# KiCad board rabbit_mask_capacitors.kicad_pcb (continued)
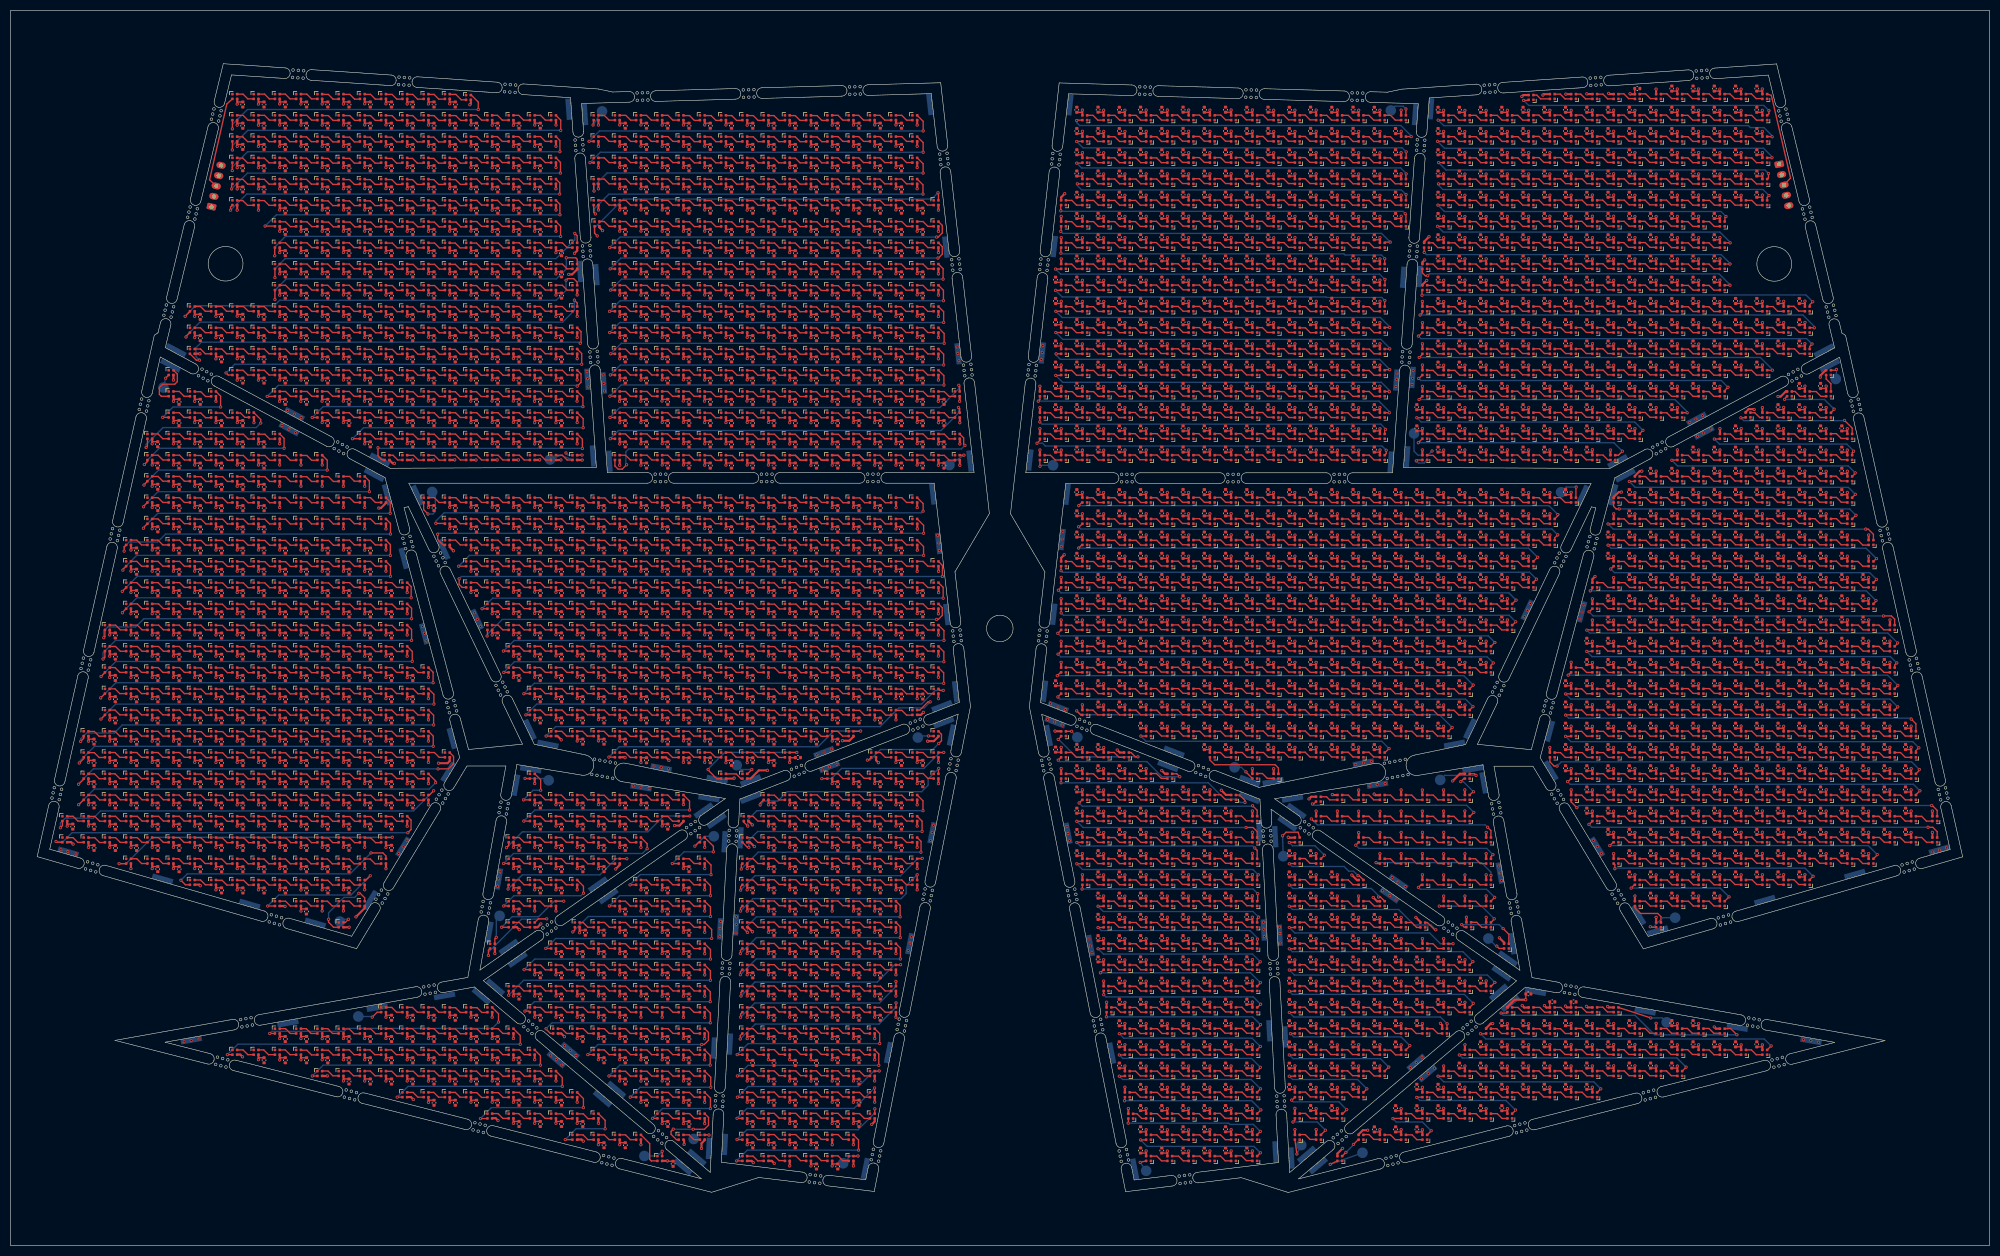
[diagram p0: board, top side]
## Placement (name value [footprint] x y rotation side) (continued)
C1485#1260  0.1uF  [C_0402_1005Metric]  63.72 122.84 270 top
C1485#1261  0.1uF  [C_0402_1005Metric]  304.7 205.86 90 top
C1485#1262  0.1uF  [C_0402_1005Metric]  268.7 121.86 90 top
C1485#1263  0.1uF  [C_0402_1005Metric]  256.7 93.84 90 top
C1485#1264  0.1uF  [C_0402_1005Metric]  123.7 158.86 270 top
C1485#1265  0.1uF  [C_0402_1005Metric]  252.7 189.88 90 top
C1485#1266  0.1uF  [C_0402_1005Metric]  155.7 206.86 270 top
C1485#1267  0.1uF  [C_0402_1005Metric]  95.7 74.86 270 top
C1485#1268  0.1uF  [C_0402_1005Metric]  340.7 121.86 90 top
C1485#1269  0.1uF  [C_0402_1005Metric]  216.7 185.86 90 top
C1485#1270  0.1uF  [C_0402_1005Metric]  220.7 129.86 90 top
C1485#1271  0.1uF  [C_0402_1005Metric]  348.7 73.86 90 top
C1485#1272  0.1uF  [C_0402_1005Metric]  155.7 106.86 270 top
C1485#1273  0.1uF  [C_0402_1005Metric]  159.7 194.86 270 top
C1485#1274  0.1uF  [C_0402_1005Metric]  306.2 217.86 0 top
C1485#1275  0.1uF  [C_0402_1005Metric]  268.7 185.86 90 top
C1485#1276  0.1uF  [C_0402_1005Metric]  244.7 45.84 90 top
C1485#1277  0.1uF  [C_0402_1005Metric]  248.7 61.84 90 top
C1485#1278  0.1uF  [C_0402_1005Metric]  171.7 186.84 270 top
C1485#1279  0.1uF  [C_0402_1005Metric]  232.7 53.86 90 top
C1485#1280  0.1uF  [C_0402_1005Metric]  119.7 58.86 270 top
C1485#1281  0.1uF  [C_0402_1005Metric]  280.71 25.84 90 top
C1485#1282  0.1uF  [C_0402_1005Metric]  320.7 149.86 90 top
C1485#1283  0.1uF  [C_0402_1005Metric]  212.7 113.86 90 top
C1485#1284  0.1uF  [C_0402_1005Metric]  232.7 17.86 90 top
C1485#1285  0.1uF  [C_0402_1005Metric]  256.7 45.84 90 top
C1485#1286  0.1uF  [C_0402_1005Metric]  300.7 213.86 90 top
C1485#1287  0.1uF  [C_0402_1005Metric]  59.72 114.86 270 top
C1485#1288  0.1uF  [C_0402_1005Metric]  284.7 193.86 90 top
C1485#1289  0.1uF  [C_0402_1005Metric]  155.7 42.86 270 top
C1485#1290  0.1uF  [C_0402_1005Metric]  167.7 74.86 270 top
C1485#1291  0.1uF  [C_0402_1005Metric]  107.7 50.86 270 top
C1485#1292  0.1uF  [C_0402_1005Metric]  63.7 186.86 270 top
C1485#1293  0.1uF  [C_0402_1005Metric]  119.7 154.86 270 top
C1485#1294  0.1uF  [C_0402_1005Metric]  43.7 150.86 270 top
C1485#1295  0.1uF  [C_0402_1005Metric]  252.7 165.86 90 top
C1485#1296  0.1uF  [C_0402_1005Metric]  336.7 125.86 90 top
C1485#1297  0.1uF  [C_0402_1005Metric]  212.7 153.86 90 top
C1485#1298  0.1uF  [C_0402_1005Metric]  296.7 109.86 90 top
C1485#1299  0.1uF  [C_0402_1005Metric]  200.7 181.88 90 top
C1485#1300  0.1uF  [C_0402_1005Metric]  328.7 149.86 90 top
C1485#1301  0.1uF  [C_0402_1005Metric]  163.7 82.86 270 top
C1485#1302  0.1uF  [C_0402_1005Metric]  39.72 134.84 270 top
C1485#1303  0.1uF  [C_0402_1005Metric]  268.7 169.86 90 top
C1485#1304  0.1uF  [C_0402_1005Metric]  312.7 101.86 90 top
C1485#1305  0.1uF  [C_0402_1005Metric]  55.72 114.86 270 top
C1485#1306  0.1uF  [C_0402_1005Metric]  264.7 153.86 90 top
C1485#1307  0.1uF  [C_0402_1005Metric]  336.7 77.86 90 top
C1485#1308  0.1uF  [C_0402_1005Metric]  111.7 138.86 270 top
C1485#1309  0.1uF  [C_0402_1005Metric]  59.7 166.86 270 top
C1485#1310  0.1uF  [C_0402_1005Metric]  47.7 198.86 270 top
C1485#1311  0.1uF  [C_0402_1005Metric]  167.7 186.84 270 top
C1485#1312  0.1uF  [C_0402_1005Metric]  75.7 42.86 270 top
C1485#1313  0.1uF  [C_0402_1005Metric]  79.7 174.84 270 top
C1485#1314  0.1uF  [C_0402_1005Metric]  244.7 25.86 90 top
C1485#1315  0.1uF  [C_0402_1005Metric]  99.7 42.86 270 top
C1485#1316  0.1uF  [C_0402_1005Metric]  135.7 190.86 270 top
C1485#1317  0.1uF  [C_0402_1005Metric]  103.7 134.86 270 top
C1485#1318  0.1uF  [C_0402_1005Metric]  224.7 81.86 90 top
C1485#1319  0.1uF  [C_0402_1005Metric]  216.7 201.86 90 top
C1485#1320  0.1uF  [C_0402_1005Metric]  143.7 146.86 270 top
C1485#1321  0.1uF  [C_0402_1005Metric]  328.7 77.86 90 top
C1485#1322  0.1uF  [C_0402_1005Metric]  240.7 149.88 90 top
C1485#1323  0.1uF  [C_0402_1005Metric]  63.7 30.86 270 top
C1485#1324  0.1uF  [C_0402_1005Metric]  316.7 181.86 90 top
C1485#1325  0.1uF  [C_0402_1005Metric]  51.7 170.86 270 top
C1485#1326  0.1uF  [C_0402_1005Metric]  95.7 118.86 270 top
C1485#1327  0.1uF  [C_0402_1005Metric]  216.7 37.86 90 top
C1485#1328  0.1uF  [C_0402_1005Metric]  123.7 78.86 270 top
C1485#1329  0.1uF  [C_0402_1005Metric]  236.7 165.86 90 top
C1485#1330  0.1uF  [C_0402_1005Metric]  244.7 125.86 90 top
C1485#1331  0.1uF  [C_0402_1005Metric]  131.7 126.86 270 top
C1485#1332  0.1uF  [C_0402_1005Metric]  248.7 125.86 90 top
C1485#1333  0.1uF  [C_0402_1005Metric]  300.7 89.86 90 top
C1485#1334  0.1uF  [C_0402_1005Metric]  111.69 58.88 270 top
C1485#1335  0.1uF  [C_0402_1005Metric]  159.7 70.86 270 top
C1485#1336  0.1uF  [C_0402_1005Metric]  276.7 33.86 90 top
C1485#1337  0.1uF  [C_0402_1005Metric]  107.7 102.86 270 top
C1485#1338  0.1uF  [C_0402_1005Metric]  312.7 185.86 90 top
C1485#1339  0.1uF  [C_0402_1005Metric]  75.7 30.86 270 top
C1485#1340  0.1uF  [C_0402_1005Metric]  304.7 161.86 90 top
C1485#1341  0.1uF  [C_0402_1005Metric]  336.7 137.86 90 top
C1485#1342  0.1uF  [C_0402_1005Metric]  304.7 165.86 90 top
C1485#1343  0.1uF  [C_0402_1005Metric]  348.7 105.86 90 top
C1485#1344  0.1uF  [C_0402_1005Metric]  67.7 106.86 270 top
C1485#1345  0.1uF  [C_0402_1005Metric]  276.7 121.86 90 top
C1485#1346  0.1uF  [C_0402_1005Metric]  139.7 154.86 270 top
C1485#1347  0.1uF  [C_0402_1005Metric]  15.7 86.86 270 top
C1485#1348  0.1uF  [C_0402_1005Metric]  79.7 210.86 270 top
C1485#1349  0.1uF  [C_0402_1005Metric]  220.7 25.86 90 top
C1485#1350  0.1uF  [C_0402_1005Metric]  163.7 202.86 270 top
C1485#1351  0.1uF  [C_0402_1005Metric]  212.7 157.86 90 top
C1485#1352  0.1uF  [C_0402_1005Metric]  159.7 54.86 270 top
C1485#1353  0.1uF  [C_0402_1005Metric]  288.7 197.86 90 top
C1485#1354  0.1uF  [C_0402_1005Metric]  155.7 86.86 270 top
C1485#1355  0.1uF  [C_0402_1005Metric]  324.7 97.86 90 top
C1485#1356  0.1uF  [C_0402_1005Metric]  95.7 178.86 270 top
C1485#1357  0.1uF  [C_0402_1005Metric]  200.7 209.86 90 top
C1485#1358  0.1uF  [C_0402_1005Metric]  236.7 133.86 90 top
C1485#1359  0.1uF  [C_0402_1005Metric]  208.71 73.86 90 top
C1485#1360  0.1uF  [C_0402_1005Metric]  35.7 158.86 270 top
C1485#1361  0.1uF  [C_0402_1005Metric]  320.7 81.86 90 top
C1485#1362  0.1uF  [C_0402_1005Metric]  240.7 197.86 90 top
C1485#1363  0.1uF  [C_0402_1005Metric]  139.7 202.86 270 top
C1485#1364  0.1uF  [C_0402_1005Metric]  163.7 86.86 270 top
C1485#1365  0.1uF  [C_0402_1005Metric]  143.7 130.86 270 top
C1485#1366  0.1uF  [C_0402_1005Metric]  47.7 170.86 270 top
C1485#1367  0.1uF  [C_0402_1005Metric]  39.72 102.84 270 top
C1485#1368  0.1uF  [C_0402_1005Metric]  316.7 93.86 90 top
C1485#1369  0.1uF  [C_0402_1005Metric]  204.7 197.88 90 top
C1485#1370  0.1uF  [C_0402_1005Metric]  31.72 110.84 270 top
C1485#1371  0.1uF  [C_0402_1005Metric]  240.7 105.86 90 top
C1485#1372  0.1uF  [C_0402_1005Metric]  268.7 149.86 90 top
C1485#1373  0.1uF  [C_0402_1005Metric]  284.7 133.86 90 top
C1485#1374  0.1uF  [C_0402_1005Metric]  91.7 190.86 270 top
C1485#1375  0.1uF  [C_0402_1005Metric]  51.72 122.84 270 top
C1485#1376  0.1uF  [C_0402_1005Metric]  256.7 213.86 90 top
C1485#1377  0.1uF  [C_0402_1005Metric]  252.7 53.84 90 top
C1485#1378  0.1uF  [C_0402_1005Metric]  236.7 153.86 90 top
C1485#1379  0.1uF  [C_0402_1005Metric]  320.7 37.86 90 top
C1485#1380  0.1uF  [C_0402_1005Metric]  264.7 113.86 90 top
C1485#1381  0.1uF  [C_0402_1005Metric]  123.7 202.86 270 top
C1485#1382  0.1uF  [C_0402_1005Metric]  208.7 157.88 90 top
C1485#1383  0.1uF  [C_0402_1005Metric]  75.7 150.86 270 top
C1485#1384  0.1uF  [C_0402_1005Metric]  216.7 17.86 90 top
C1485#1385  0.1uF  [C_0402_1005Metric]  320.7 181.86 90 top
C1485#1386  0.1uF  [C_0402_1005Metric]  312.7 137.86 90 top
C1485#1387  0.1uF  [C_0402_1005Metric]  123.7 118.86 270 top
C1485#1388  0.1uF  [C_0402_1005Metric]  111.7 42.86 270 top
C1485#1389  0.1uF  [C_0402_1005Metric]  208.7 129.86 90 top
C1485#1390  0.1uF  [C_0402_1005Metric]  43.7 170.86 270 top
C1485#1391  0.1uF  [C_0402_1005Metric]  308.7 125.86 90 top
C1485#1392  0.1uF  [C_0402_1005Metric]  244.7 49.84 90 top
C1485#1393  0.1uF  [C_0402_1005Metric]  312.7 105.86 90 top
C1485#1394  0.1uF  [C_0402_1005Metric]  115.7 62.86 270 top
C1485#1395  0.1uF  [C_0402_1005Metric]  139.7 170.86 270 top
C1485#1396  0.1uF  [C_0402_1005Metric]  340.7 113.86 90 top
C1485#1397  0.1uF  [C_0402_1005Metric]  47.7 162.86 270 top
C1485#1398  0.1uF  [C_0402_1005Metric]  276.7 125.86 90 top
C1485#1399  0.1uF  [C_0402_1005Metric]  99.7 178.86 270 top
C1485#1400  0.1uF  [C_0402_1005Metric]  75.7 162.86 270 top
C1485#1401  0.1uF  [C_0402_1005Metric]  115.7 158.86 270 top
C1485#1402  0.1uF  [C_0402_1005Metric]  91.7 210.86 270 top
C1485#1403  0.1uF  [C_0402_1005Metric]  268.7 161.86 90 top
C1485#1404  0.1uF  [C_0402_1005Metric]  304.7 129.86 90 top
C1485#1405  0.1uF  [C_0402_1005Metric]  252.7 181.86 90 top
C1485#1406  0.1uF  [C_0402_1005Metric]  143.7 70.86 270 top
C1485#1407  0.1uF  [C_0402_1005Metric]  167.7 110.86 270 top
C1485#1408  0.1uF  [C_0402_1005Metric]  296.7 81.86 90 top
C1485#1409  0.1uF  [C_0402_1005Metric]  151.7 130.86 270 top
C1485#1410  0.1uF  [C_0402_1005Metric]  328.7 93.86 90 top
C1485#1411  0.1uF  [C_0402_1005Metric]  328.7 217.86 90 top
C1485#1412  0.1uF  [C_0402_1005Metric]  220.7 209.88 90 top
C1485#1413  0.1uF  [C_0402_1005Metric]  228.7 97.86 90 top
C1485#1414  0.1uF  [C_0402_1005Metric]  159.7 66.86 270 top
C1485#1415  0.1uF  [C_0402_1005Metric]  91.7 186.86 270 top
C1485#1416  0.1uF  [C_0402_1005Metric]  63.7 202.86 270 top
C1485#1417  0.1uF  [C_0402_1005Metric]  71.7 118.86 270 top
C1485#1418  0.1uF  [C_0402_1005Metric]  119.7 206.86 270 top
C1485#1419  0.1uF  [C_0402_1005Metric]  119.7 94.86 270 top
C1485#1420  0.1uF  [C_0402_1005Metric]  103.7 186.86 270 top
C1485#1421  0.1uF  [C_0402_1005Metric]  276.7 213.86 90 top
C1485#1422  0.1uF  [C_0402_1005Metric]  151.7 138.86 270 top
C1485#1423  0.1uF  [C_0402_1005Metric]  216.7 109.86 90 top
C1485#1424  0.1uF  [C_0402_1005Metric]  47.7 34.86 270 top
C1485#1425  0.1uF  [C_0402_1005Metric]  240.7 61.84 90 top
C1485#1426  0.1uF  [C_0402_1005Metric]  139.7 94.86 270 top
C1485#1427  0.1uF  [C_0402_1005Metric]  232.7 125.86 90 top
C1485#1428  0.1uF  [C_0402_1005Metric]  139.7 138.86 270 top
C1485#1429  0.1uF  [C_0402_1005Metric]  79.7 186.86 270 top
C1485#1430  0.1uF  [C_0402_1005Metric]  143.7 194.86 270 top
C1485#1431  0.1uF  [C_0402_1005Metric]  175.7 158.86 270 top
C1485#1432  0.1uF  [C_0402_1005Metric]  328.7 129.86 90 top
C1485#1433  0.1uF  [C_0402_1005Metric]  348.7 93.86 90 top
C1485#1434  0.1uF  [C_0402_1005Metric]  147.7 118.86 270 top
C1485#1435  0.1uF  [C_0402_1005Metric]  51.7 214.86 270 top
C1485#1436  0.1uF  [C_0402_1005Metric]  316.7 185.86 90 top
C1485#1437  0.1uF  [C_0402_1005Metric]  280.7 189.86 90 top
C1485#1438  0.1uF  [C_0402_1005Metric]  147.7 190.86 270 top
C1485#1439  0.1uF  [C_0402_1005Metric]  248.7 137.86 90 top
C1485#1440  0.1uF  [C_0402_1005Metric]  212.7 109.86 90 top
C1485#1441  0.1uF  [C_0402_1005Metric]  208.7 45.86 90 top
C1485#1442  0.1uF  [C_0402_1005Metric]  216.7 65.86 90 top
C1485#1443  0.1uF  [C_0402_1005Metric]  139.7 206.86 270 top
C1485#1444  0.1uF  [C_0402_1005Metric]  284.7 169.86 90 top
C1485#1445  0.1uF  [C_0402_1005Metric]  212.7 61.86 90 top
C1485#1446  0.1uF  [C_0402_1005Metric]  143.7 62.86 270 top
C1485#1447  0.1uF  [C_0402_1005Metric]  200.7 153.88 90 top
C1485#1448  0.1uF  [C_0402_1005Metric]  155.7 94.86 270 top
C1485#1449  0.1uF  [C_0402_1005Metric]  228.71 101.86 90 top
C1485#1450  0.1uF  [C_0402_1005Metric]  51.7 190.86 270 top
C1485#1451  0.1uF  [C_0402_1005Metric]  252.7 185.88 90 top
C1485#1452  0.1uF  [C_0402_1005Metric]  31.72 142.84 270 top
C1485#1453  0.1uF  [C_0402_1005Metric]  51.7 178.84 270 top
C1485#1454  0.1uF  [C_0402_1005Metric]  55.72 78.84 270 top
C1485#1455  0.1uF  [C_0402_1005Metric]  276.7 133.86 90 top
C1485#1456  0.1uF  [C_0402_1005Metric]  288.7 201.86 90 top
C1485#1457  0.1uF  [C_0402_1005Metric]  103.7 50.86 270 top
C1485#1458  0.1uF  [C_0402_1005Metric]  151.7 162.86 270 top
C1485#1459  0.1uF  [C_0402_1005Metric]  55.72 74.84 270 top
C1485#1460  0.1uF  [C_0402_1005Metric]  35.7 174.86 270 top
C1485#1461  0.1uF  [C_0402_1005Metric]  135.7 210.86 270 top
C1485#1462  0.1uF  [C_0402_1005Metric]  320.7 205.86 90 top
C1485#1463  0.1uF  [C_0402_1005Metric]  252.71 101.86 90 top
C1485#1464  0.1uF  [C_0402_1005Metric]  111.7 94.86 270 top
C1485#1465  0.1uF  [C_0402_1005Metric]  127.7 154.86 270 top
C1485#1466  0.1uF  [C_0402_1005Metric]  224.7 33.86 90 top
C1485#1467  0.1uF  [C_0402_1005Metric]  324.7 201.86 90 top
C1485#1468  0.1uF  [C_0402_1005Metric]  43.72 66.84 270 top
C1485#1469  0.1uF  [C_0402_1005Metric]  208.7 85.86 90 top
C1485#1470  0.1uF  [C_0402_1005Metric]  63.72 98.84 270 top
C1485#1471  0.1uF  [C_0402_1005Metric]  39.7 166.86 270 top
C1485#1472  0.1uF  [C_0402_1005Metric]  135.7 98.86 270 top
C1485#1473  0.1uF  [C_0402_1005Metric]  103.7 42.86 270 top
C1485#1474  0.1uF  [C_0402_1005Metric]  155.7 14.86 270 top
C1485#1475  0.1uF  [C_0402_1005Metric]  103.7 154.86 270 top
C1485#1476  0.1uF  [C_0402_1005Metric]  79.7 154.86 270 top
C1485#1477  0.1uF  [C_0402_1005Metric]  67.7 150.86 270 top
C1485#1478  0.1uF  [C_0402_1005Metric]  111.7 118.86 270 top
C1485#1479  0.1uF  [C_0402_1005Metric]  200.7 205.86 90 top
C1485#1480  0.1uF  [C_0402_1005Metric]  232.7 25.86 90 top
C1485#1481  0.1uF  [C_0402_1005Metric]  91.7 30.86 270 top
C1485#1482  0.1uF  [C_0402_1005Metric]  304.7 201.86 90 top
C1485#1483  0.1uF  [C_0402_1005Metric]  51.72 106.84 270 top
C1485#1484  0.1uF  [C_0402_1005Metric]  75.7 82.86 270 top
C1485#1485  0.1uF  [C_0402_1005Metric]  264.7 141.86 90 top
C1485#1486  0.1uF  [C_0402_1005Metric]  131.7 110.86 270 top
C1485#1487  0.1uF  [C_0402_1005Metric]  248.7 109.86 90 top
C1485#1488  0.1uF  [C_0402_1005Metric]  71.7 82.86 270 top
C1485#1489  0.1uF  [C_0402_1005Metric]  280.7 153.86 90 top
C1485#1490  0.1uF  [C_0402_1005Metric]  67.7 82.86 270 top
C1485#1491  0.1uF  [C_0402_1005Metric]  151.7 42.86 270 top
C1485#1492  0.1uF  [C_0402_1005Metric]  228.7 189.88 90 top
C1485#1493  0.1uF  [C_0402_1005Metric]  296.7 41.86 90 top
C1485#1494  0.1uF  [C_0402_1005Metric]  220.7 61.86 90 top
C1485#1495  0.1uF  [C_0402_1005Metric]  167.7 170.84 270 top
C1485#1496  0.1uF  [C_0402_1005Metric]  127.7 62.86 270 top
C1485#1497  0.1uF  [C_0402_1005Metric]  139.7 190.86 270 top
C1485#1498  0.1uF  [C_0402_1005Metric]  151.7 186.86 270 top
C1485#1499  0.1uF  [C_0402_1005Metric]  200.7 89.86 90 top
C1485#1500  0.1uF  [C_0402_1005Metric]  268.7 105.86 90 top
C1485#1501  0.1uF  [C_0402_1005Metric]  200.7 197.86 90 top
C1485#1502  0.1uF  [C_0402_1005Metric]  115.7 166.86 270 top
C1485#1503  0.1uF  [C_0402_1005Metric]  43.7 206.86 270 top
C1485#1504  0.1uF  [C_0402_1005Metric]  135.7 130.86 270 top
C1485#1505  0.1uF  [C_0402_1005Metric]  260.7 121.86 90 top
C1485#1506  0.1uF  [C_0402_1005Metric]  59.72 98.84 270 top
C1485#1507  0.1uF  [C_0402_1005Metric]  316.7 145.86 90 top
C1485#1508  0.1uF  [C_0402_1005Metric]  139.7 114.86 270 top
C1485#1509  0.1uF  [C_0402_1005Metric]  135.7 182.86 270 top
C1485#1510  0.1uF  [C_0402_1005Metric]  216.7 53.86 90 top
C1485#1511  0.1uF  [C_0402_1005Metric]  139.7 194.86 270 top
C1485#1512  0.1uF  [C_0402_1005Metric]  95.7 154.86 270 top
C1485#1513  0.1uF  [C_0402_1005Metric]  139.7 22.86 270 top
C1485#1514  0.1uF  [C_0402_1005Metric]  171.7 170.84 270 top
C1485#1515  0.1uF  [C_0402_1005Metric]  248.7 133.86 90 top
C1485#1516  0.1uF  [C_0402_1005Metric]  119.7 186.86 270 top
C1485#1517  0.1uF  [C_0402_1005Metric]  256.7 41.84 90 top
C1485#1518  0.1uF  [C_0402_1005Metric]  280.7 121.86 90 top
C1485#1519  0.1uF  [C_0402_1005Metric]  280.7 205.86 90 top
C1485#1520  0.1uF  [C_0402_1005Metric]  228.7 197.88 90 top
C1485#1521  0.1uF  [C_0402_1005Metric]  87.7 34.86 270 top
C1485#1522  0.1uF  [C_0402_1005Metric]  200.7 213.86 90 top
C1485#1523  0.1uF  [C_0402_1005Metric]  268.71 25.84 90 top
C1485#1524  0.1uF  [C_0402_1005Metric]  228.7 25.86 90 top
C1485#1525  0.1uF  [C_0402_1005Metric]  224.7 133.86 90 top
C1485#1526  0.1uF  [C_0402_1005Metric]  308.7 169.86 90 top
C1485#1527  0.1uF  [C_0402_1005Metric]  232.7 165.88 90 top
C1485#1528  0.1uF  [C_0402_1005Metric]  224.7 25.86 90 top
C1485#1529  0.1uF  [C_0402_1005Metric]  332.7 121.86 90 top
C1485#1530  0.1uF  [C_0402_1005Metric]  127.7 138.86 270 top
C1485#1531  0.1uF  [C_0402_1005Metric]  244.7 185.88 90 top
C1485#1532  0.1uF  [C_0402_1005Metric]  220.7 57.86 90 top
C1485#1533  0.1uF  [C_0402_1005Metric]  51.72 102.84 270 top
C1485#1534  0.1uF  [C_0402_1005Metric]  11.7 78.86 270 top
C1485#1535  0.1uF  [C_0402_1005Metric]  248.7 33.84 90 top
C1485#1536  0.1uF  [C_0402_1005Metric]  155.7 130.86 270 top
C1485#1537  0.1uF  [C_0402_1005Metric]  256.7 117.86 90 top
C1485#1538  0.1uF  [C_0402_1005Metric]  143.7 50.86 270 top
C1485#1539  0.1uF  [C_0402_1005Metric]  147.7 146.86 270 top
C1485#1540  0.1uF  [C_0402_1005Metric]  340.7 117.86 90 top
C1485#1541  0.1uF  [C_0402_1005Metric]  344.7 81.86 90 top
C1485#1542  0.1uF  [C_0402_1005Metric]  212.7 161.86 90 top
C1485#1543  0.1uF  [C_0402_1005Metric]  51.7 166.86 270 top
C1485#1544  0.1uF  [C_0402_1005Metric]  143.7 198.86 270 top
C1485#1545  0.1uF  [C_0402_1005Metric]  31.72 106.84 270 top
C1485#1546  0.1uF  [C_0402_1005Metric]  119.7 158.86 270 top
C1485#1547  0.1uF  [C_0402_1005Metric]  131.7 198.86 270 top
C1485#1548  0.1uF  [C_0402_1005Metric]  91.7 162.86 270 top
C1485#1549  0.1uF  [C_0402_1005Metric]  248.7 29.84 90 top
C1485#1550  0.1uF  [C_0402_1005Metric]  135.7 126.86 270 top
C1485#1551  0.1uF  [C_0402_1005Metric]  63.7 82.86 270 top
C1485#1552  0.1uF  [C_0402_1005Metric]  256.7 97.86 90 top
C1485#1553  0.1uF  [C_0402_1005Metric]  324.7 209.86 90 top
C1485#1554  0.1uF  [C_0402_1005Metric]  91.7 126.86 270 top
C1485#1555  0.1uF  [C_0402_1005Metric]  139.7 210.86 270 top
C1485#1556  0.1uF  [C_0402_1005Metric]  159.7 34.86 270 top
C1485#1557  0.1uF  [C_0402_1005Metric]  35.7 146.84 270 top
C1485#1558  0.1uF  [C_0402_1005Metric]  103.72 70.84 270 top
C1485#1559  0.1uF  [C_0402_1005Metric]  23.72 82.84 270 top
C1485#1560  0.1uF  [C_0402_1005Metric]  304.7 181.86 90 top
C1485#1561  0.1uF  [C_0402_1005Metric]  75.7 86.86 270 top
C1485#1562  0.1uF  [C_0402_1005Metric]  344.7 117.86 90 top
C1485#1563  0.1uF  [C_0402_1005Metric]  59.7 162.86 270 top
C1485#1564  0.1uF  [C_0402_1005Metric]  143.7 90.86 270 top
C1485#1565  0.1uF  [C_0402_1005Metric]  103.7 110.86 270 top
C1485#1566  0.1uF  [C_0402_1005Metric]  336.7 105.86 90 top
C1485#1567  0.1uF  [C_0402_1005Metric]  71.7 194.86 270 top
C1485#1568  0.1uF  [C_0402_1005Metric]  248.7 177.88 90 top
C1485#1569  0.1uF  [C_0402_1005Metric]  200.7 105.86 90 top
C1485#1570  0.1uF  [C_0402_1005Metric]  272.7 121.86 90 top
C1485#1571  0.1uF  [C_0402_1005Metric]  320.7 161.86 90 top
C1485#1572  0.1uF  [C_0402_1005Metric]  107.7 94.86 270 top
C1485#1573  0.1uF  [C_0402_1005Metric]  167.7 146.86 270 top
C1485#1574  0.1uF  [C_0402_1005Metric]  27.72 78.84 270 top
C1485#1575  0.1uF  [C_0402_1005Metric]  320.7 125.86 90 top
C1485#1576  0.1uF  [C_0402_1005Metric]  228.7 169.86 90 top
C1485#1577  0.1uF  [C_0402_1005Metric]  300.7 121.86 90 top
C1485#1578  0.1uF  [C_0402_1005Metric]  151.7 82.86 270 top
C1485#1579  0.1uF  [C_0402_1005Metric]  43.7 202.86 270 top
C1485#1580  0.1uF  [C_0402_1005Metric]  71.7 214.86 270 top
C1485#1581  0.1uF  [C_0402_1005Metric]  155.7 34.86 270 top
C1485#1582  0.1uF  [C_0402_1005Metric]  304.7 85.86 90 top
C1485#1583  0.1uF  [C_0402_1005Metric]  59.7 170.86 270 top
C1485#1584  0.1uF  [C_0402_1005Metric]  260.7 133.86 90 top
C1485#1585  0.1uF  [C_0402_1005Metric]  43.7 106.86 270 top
C1485#1586  0.1uF  [C_0402_1005Metric]  135.7 194.86 270 top
C1485#1587  0.1uF  [C_0402_1005Metric]  43.72 138.84 270 top
C1485#1588  0.1uF  [C_0402_1005Metric]  143.7 30.86 270 top
C1485#1589  0.1uF  [C_0402_1005Metric]  208.7 53.86 90 top
C1485#1590  0.1uF  [C_0402_1005Metric]  300.7 129.86 90 top
C1485#1591  0.1uF  [C_0402_1005Metric]  216.7 69.86 90 top
C1485#1592  0.1uF  [C_0402_1005Metric]  268.7 197.86 90 top
C1485#1593  0.1uF  [C_0402_1005Metric]  83.7 162.86 270 top
C1485#1594  0.1uF  [C_0402_1005Metric]  228.7 53.86 90 top
C1485#1595  0.1uF  [C_0402_1005Metric]  256.7 129.86 90 top
C1485#1596  0.1uF  [C_0402_1005Metric]  119.7 114.86 270 top
C1485#1597  0.1uF  [C_0402_1005Metric]  276.7 193.86 90 top
C1485#1598  0.1uF  [C_0402_1005Metric]  135.7 94.86 270 top
C1485#1599  0.1uF  [C_0402_1005Metric]  220.7 97.86 90 top
C1485#1600  0.1uF  [C_0402_1005Metric]  155.7 38.86 270 top
C1485#1601  0.1uF  [C_0402_1005Metric]  163.7 106.86 270 top
C1485#1602  0.1uF  [C_0402_1005Metric]  139.7 54.86 270 top
C1485#1603  0.1uF  [C_0402_1005Metric]  252.7 193.88 90 top
C1485#1604  0.1uF  [C_0402_1005Metric]  71.7 78.86 270 top
C1485#1605  0.1uF  [C_0402_1005Metric]  31.72 74.84 270 top
C1485#1606  0.1uF  [C_0402_1005Metric]  155.7 210.86 270 top
C1485#1607  0.1uF  [C_0402_1005Metric]  312.7 81.86 90 top
C1485#1608  0.1uF  [C_0402_1005Metric]  127.7 126.86 270 top
C1485#1609  0.1uF  [C_0402_1005Metric]  276.7 141.86 90 top
C1485#1610  0.1uF  [C_0402_1005Metric]  216.7 49.86 90 top
C1485#1611  0.1uF  [C_0402_1005Metric]  51.7 34.86 270 top
C1485#1612  0.1uF  [C_0402_1005Metric]  47.7 130.86 270 top
C1485#1613  0.1uF  [C_0402_1005Metric]  83.7 138.86 270 top
C1485#1614  0.1uF  [C_0402_1005Metric]  312.7 125.86 90 top
C1485#1615  0.1uF  [C_0402_1005Metric]  232.7 177.88 90 top
C1485#1616  0.1uF  [C_0402_1005Metric]  27.72 114.84 270 top
C1485#1617  0.1uF  [C_0402_1005Metric]  55.7 174.84 270 top
C1485#1618  0.1uF  [C_0402_1005Metric]  67.7 210.86 270 top
C1485#1619  0.1uF  [C_0402_1005Metric]  67.7 182.86 270 top
C1485#1620  0.1uF  [C_0402_1005Metric]  208.7 193.86 90 top
C1485#1621  0.1uF  [C_0402_1005Metric]  91.7 182.86 270 top
C1485#1622  0.1uF  [C_0402_1005Metric]  139.7 150.84 270 top
C1485#1623  0.1uF  [C_0402_1005Metric]  304.7 117.86 90 top
C1485#1624  0.1uF  [C_0402_1005Metric]  208.7 169.88 90 top
C1485#1625  0.1uF  [C_0402_1005Metric]  103.7 150.86 270 top
C1485#1626  0.1uF  [C_0402_1005Metric]  200.7 81.86 90 top
C1485#1627  0.1uF  [C_0402_1005Metric]  268.7 125.86 90 top
C1485#1628  0.1uF  [C_0402_1005Metric]  272.7 209.86 90 top
C1485#1629  0.1uF  [C_0402_1005Metric]  123.7 170.86 270 top
C1485#1630  0.1uF  [C_0402_1005Metric]  31.72 94.84 270 top
C1485#1631  0.1uF  [C_0402_1005Metric]  71.7 38.86 270 top
C1485#1632  0.1uF  [C_0402_1005Metric]  163.7 42.86 270 top
C1485#1633  0.1uF  [C_0402_1005Metric]  167.7 206.86 270 top
C1485#1634  0.1uF  [C_0402_1005Metric]  155.7 98.86 270 top
C1485#1635  0.1uF  [C_0402_1005Metric]  240.7 185.86 90 top
C1485#1636  0.1uF  [C_0402_1005Metric]  167.7 178.86 270 top
C1485#1637  0.1uF  [C_0402_1005Metric]  272.7 193.86 90 top
C1485#1638  0.1uF  [C_0402_1005Metric]  304.7 69.86 90 top
C1485#1639  0.1uF  [C_0402_1005Metric]  63.7 34.86 270 top
C1485#1640  0.1uF  [C_0402_1005Metric]  324.7 125.86 90 top
C1485#1641  0.1uF  [C_0402_1005Metric]  260.7 57.84 90 top
C1485#1642  0.1uF  [C_0402_1005Metric]  220.7 37.86 90 top
C1485#1643  0.1uF  [C_0402_1005Metric]  123.7 46.86 270 top
C1485#1644  0.1uF  [C_0402_1005Metric]  252.7 113.86 90 top
C1485#1645  0.1uF  [C_0402_1005Metric]  159.7 178.86 270 top
C1485#1646  0.1uF  [C_0402_1005Metric]  155.7 58.86 270 top
C1485#1647  0.1uF  [C_0402_1005Metric]  332.7 137.86 90 top
C1485#1648  0.1uF  [C_0402_1005Metric]  204.71 101.86 90 top
C1485#1649  0.1uF  [C_0402_1005Metric]  67.7 206.86 270 top
C1485#1650  0.1uF  [C_0402_1005Metric]  232.7 65.86 90 top
C1485#1651  0.1uF  [C_0402_1005Metric]  220.7 157.86 90 top
C1485#1652  0.1uF  [C_0402_1005Metric]  19.72 78.84 270 top
C1485#1653  0.1uF  [C_0402_1005Metric]  143.7 18.86 270 top
C1485#1654  0.1uF  [C_0402_1005Metric]  139.7 130.86 270 top
C1485#1655  0.1uF  [C_0402_1005Metric]  151.7 122.86 270 top
C1485#1656  0.1uF  [C_0402_1005Metric]  296.7 205.86 90 top
C1485#1657  0.1uF  [C_0402_1005Metric]  67.7 90.86 270 top
C1485#1658  0.1uF  [C_0402_1005Metric]  276.7 169.86 90 top
C1485#1659  0.1uF  [C_0402_1005Metric]  99.7 158.86 270 top
C1485#1660  0.1uF  [C_0402_1005Metric]  276.7 209.86 90 top
C1485#1661  0.1uF  [C_0402_1005Metric]  224.7 189.86 90 top
C1485#1662  0.1uF  [C_0402_1005Metric]  143.7 82.86 270 top
C1485#1663  0.1uF  [C_0402_1005Metric]  95.7 206.86 270 top
C1485#1664  0.1uF  [C_0402_1005Metric]  312.7 209.86 90 top
C1485#1665  0.1uF  [C_0402_1005Metric]  328.7 121.86 90 top
C1485#1666  0.1uF  [C_0402_1005Metric]  212.7 65.86 90 top
C1485#1667  0.1uF  [C_0402_1005Metric]  272.7 149.86 90 top
C1485#1668  0.1uF  [C_0402_1005Metric]  344.7 113.86 90 top
C1485#1669  0.1uF  [C_0402_1005Metric]  87.7 126.86 270 top
C1485#1670  0.1uF  [C_0402_1005Metric]  91.7 114.86 270 top
C1485#1671  0.1uF  [C_0402_1005Metric]  171.7 154.84 270 top
C1485#1672  0.1uF  [C_0402_1005Metric]  320.7 185.86 90 top
C1485#1673  0.1uF  [C_0402_1005Metric]  240.7 53.84 90 top
C1485#1674  0.1uF  [C_0402_1005Metric]  71.7 110.86 270 top
C1485#1675  0.1uF  [C_0402_1005Metric]  240.7 181.88 90 top
